# KiCad board register-motherboard - Copy.kicad_pcb (continued)
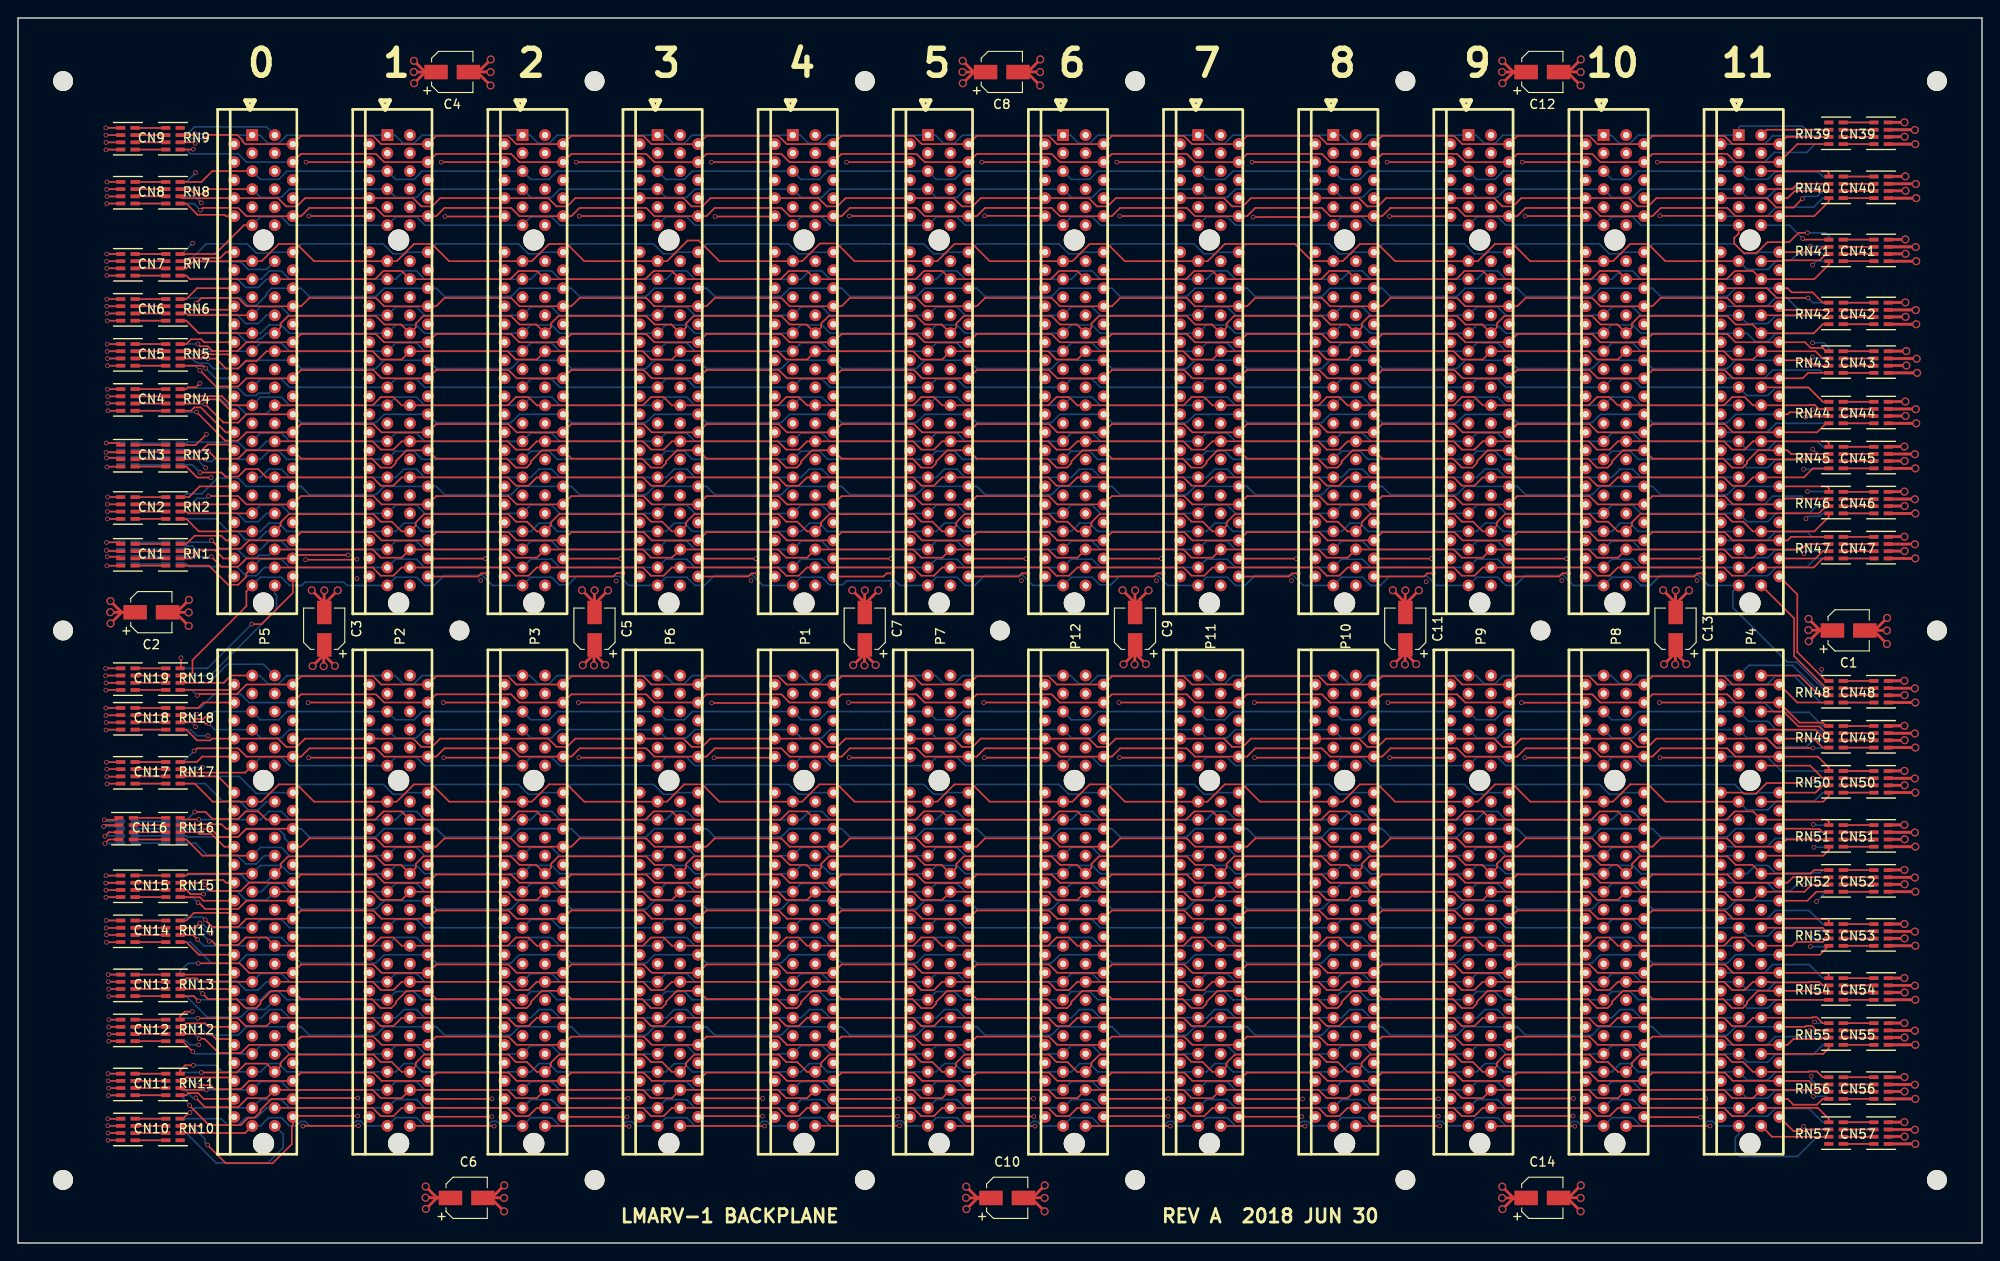
[diagram p0: board, top side]
## Routing (per net, layer and track width the routed paths; a pad name or vN(x,y) marks a point on that pad's centre or on a via; arc(x,y) is an arc through that point) (continued)
  Bottom w0.178: v1(20.49,27.68) 19.97,28.2 RN32.7
/~{rs2_rd}: length 192.9
  Top w0.178: v1(20.76,93.14) 22.82,91.08 24.44,91.08 25.36,92 P5.128 ; P4.128 196.42,92 196.64,92.22 198.69,92.22 199.11,91.8 RN44.7
  Bottom w0.178: P4.128 190.64,92 189.73,91.08 181.42,91.08 P8.128 175.64,92 174.73,91.08 166.42,91.08 P9.128 160.64,92 159.73,91.08 151.42,91.08 P10.128 145.64,92 144.73,91.08 136.42,91.08 P11.128 130.64,92 129.73,91.08 121.42,91.08 P12.128 115.64,92 114.73,91.08 106.42,91.08 P7.128 100.64,92 99.73,91.08 91.42,91.08 P1.128 85.64,92 84.73,91.08 76.42,91.08 P6.128 70.64,92 69.73,91.08 61.42,91.08 P3.128 55.64,92 54.73,91.08 46.42,91.08 P2.128 40.64,92 39.73,91.08 31.42,91.08 P5.128 ; v1(20.76,93.14) 18.06,93.14 RN23.7
Net-(CN1-Pad5): length 3.4
  Top w0.178: RN1.4 CN1.5
Net-(CN1-Pad6): length 3.4
  Top w0.178: CN1.6 RN1.3
Net-(CN1-Pad7): length 3.4
  Top w0.178: RN1.2 CN1.7
Net-(CN1-Pad8): length 3.4
  Top w0.178: CN1.8 RN1.1
Net-(CN2-Pad5): length 3.4
  Top w0.178: RN2.4 CN2.5
Net-(CN2-Pad6): length 3.4
  Top w0.178: CN2.6 RN2.3
Net-(CN2-Pad7): length 3.4
  Top w0.178: RN2.2 CN2.7
Net-(CN2-Pad8): length 3.4
  Top w0.178: CN2.8 RN2.1
Net-(CN3-Pad5): length 3.4
  Top w0.178: RN3.4 CN3.5
Net-(CN3-Pad6): length 3.4
  Top w0.178: CN3.6 RN3.3
Net-(CN3-Pad7): length 3.4
  Top w0.178: RN3.2 CN3.7
Net-(CN3-Pad8): length 3.4
  Top w0.178: CN3.8 RN3.1
Net-(CN4-Pad5): length 3.4
  Top w0.178: RN4.4 CN4.5
Net-(CN4-Pad6): length 3.4
  Top w0.178: CN4.6 RN4.3
Net-(CN4-Pad7): length 3.4
  Top w0.178: RN4.2 CN4.7
Net-(CN4-Pad8): length 3.4
  Top w0.178: CN4.8 RN4.1
Net-(CN5-Pad5): length 3.4
  Top w0.178: RN5.4 CN5.5
Net-(CN5-Pad6): length 3.4
  Top w0.178: CN5.6 RN5.3
Net-(CN5-Pad7): length 3.4
  Top w0.178: RN5.2 CN5.7
Net-(CN5-Pad8): length 3.4
  Top w0.178: CN5.8 RN5.1
Net-(CN6-Pad5): length 3.4
  Top w0.178: RN6.4 CN6.5
Net-(CN6-Pad6): length 3.4
  Top w0.178: CN6.6 RN6.3
Net-(CN6-Pad7): length 3.4
  Top w0.178: RN6.2 CN6.7
Net-(CN6-Pad8): length 3.4
  Top w0.178: CN6.8 RN6.1
Net-(CN7-Pad5): length 3.4
  Top w0.178: RN7.4 CN7.5
Net-(CN7-Pad6): length 3.4
  Top w0.178: CN7.6 RN7.3
Net-(CN7-Pad7): length 3.4
  Top w0.178: RN7.2 CN7.7
Net-(CN7-Pad8): length 3.4
  Top w0.178: CN7.8 RN7.1
Net-(CN8-Pad5): length 3.4
  Top w0.178: RN8.4 CN8.5
Net-(CN8-Pad6): length 3.4
  Top w0.178: CN8.6 RN8.3
Net-(CN8-Pad7): length 3.4
  Top w0.178: RN8.2 CN8.7
Net-(CN8-Pad8): length 3.4
  Top w0.178: CN8.8 RN8.1
Net-(CN9-Pad5): length 3.4
  Top w0.178: CN9.5 RN9.4
Net-(CN9-Pad6): length 3.4
  Top w0.178: CN9.6 RN9.3
Net-(CN9-Pad7): length 3.4
  Top w0.178: CN9.7 RN9.2
Net-(CN9-Pad8): length 3.4
  Top w0.178: CN9.8 RN9.1
Net-(CN10-Pad5): length 3.4
  Top w0.178: RN10.4 CN10.5
Net-(CN10-Pad6): length 3.4
  Top w0.178: CN10.6 RN10.3
Net-(CN10-Pad7): length 3.4
  Top w0.178: RN10.2 CN10.7
Net-(CN10-Pad8): length 3.4
  Top w0.178: CN10.8 RN10.1
Net-(CN11-Pad5): length 3.4
  Top w0.178: RN11.4 CN11.5
Net-(CN11-Pad6): length 3.4
  Top w0.178: CN11.6 RN11.3
Net-(CN11-Pad7): length 3.4
  Top w0.178: RN11.2 CN11.7
Net-(CN11-Pad8): length 3.4
  Top w0.178: CN11.8 RN11.1
Net-(CN12-Pad5): length 3.4
  Top w0.178: RN12.4 CN12.5
Net-(CN12-Pad6): length 3.4
  Top w0.178: CN12.6 RN12.3
Net-(CN12-Pad7): length 3.4
  Top w0.178: RN12.2 CN12.7
Net-(CN12-Pad8): length 3.4
  Top w0.178: CN12.8 RN12.1
Net-(CN13-Pad5): length 3.4
  Top w0.178: RN13.4 CN13.5
Net-(CN13-Pad6): length 3.4
  Top w0.178: CN13.6 RN13.3
Net-(CN13-Pad7): length 3.4
  Top w0.178: RN13.2 CN13.7
Net-(CN13-Pad8): length 3.4
  Top w0.178: CN13.8 RN13.1
Net-(CN14-Pad5): length 3.4
  Top w0.178: RN14.4 CN14.5
Net-(CN14-Pad6): length 3.4
  Top w0.178: CN14.6 RN14.3
Net-(CN14-Pad7): length 3.4
  Top w0.178: RN14.2 CN14.7
Net-(CN14-Pad8): length 3.4
  Top w0.178: CN14.8 RN14.1
Net-(CN15-Pad5): length 3.4
  Top w0.178: RN15.4 CN15.5
Net-(CN15-Pad6): length 3.4
  Top w0.178: CN15.6 RN15.3
Net-(CN15-Pad7): length 3.4
  Top w0.178: RN15.2 CN15.7
Net-(CN15-Pad8): length 3.4
  Top w0.178: CN15.8 RN15.1
Net-(CN16-Pad5): length 3.6
  Top w0.178: RN16.4 CN16.5
Net-(CN16-Pad6): length 3.6
  Top w0.178: CN16.6 RN16.3
Net-(CN16-Pad7): length 3.6
  Top w0.178: RN16.2 CN16.7
Net-(CN16-Pad8): length 3.6
  Top w0.178: CN16.8 RN16.1
Net-(CN17-Pad5): length 3.4
  Top w0.178: RN17.4 CN17.5
Net-(CN17-Pad6): length 3.4
  Top w0.178: CN17.6 RN17.3
Net-(CN17-Pad7): length 3.4
  Top w0.178: RN17.2 CN17.7
Net-(CN17-Pad8): length 3.4
  Top w0.178: CN17.8 RN17.1
Net-(CN18-Pad5): length 3.4
  Top w0.178: RN18.4 CN18.5
Net-(CN18-Pad6): length 3.4
  Top w0.178: CN18.6 RN18.3
Net-(CN18-Pad7): length 3.4
  Top w0.178: RN18.2 CN18.7
Net-(CN18-Pad8): length 3.4
  Top w0.178: CN18.8 RN18.1
Net-(CN19-Pad5): length 3.4
  Top w0.178: RN19.4 CN19.5
Net-(CN19-Pad6): length 3.4
  Top w0.178: CN19.6 RN19.3
Net-(CN19-Pad7): length 3.4
  Top w0.178: RN19.2 CN19.7
Net-(CN19-Pad8): length 3.4
  Top w0.178: CN19.8 RN19.1
Net-(CN20-Pad5): length 3.4
  Bottom w0.178: CN20.5 RN20.4
Net-(CN20-Pad6): length 3.4
  Bottom w0.178: RN20.3 CN20.6
Net-(CN20-Pad7): length 3.4
  Bottom w0.178: CN20.7 RN20.2
Net-(CN20-Pad8): length 3.4
  Bottom w0.178: RN20.1 CN20.8
Net-(CN21-Pad5): length 3.4
  Bottom w0.178: CN21.5 RN21.4
Net-(CN21-Pad6): length 3.4
  Bottom w0.178: RN21.3 CN21.6
Net-(CN21-Pad7): length 3.4
  Bottom w0.178: CN21.7 RN21.2
Net-(CN21-Pad8): length 3.4
  Bottom w0.178: RN21.1 CN21.8
Net-(CN22-Pad5): length 3.4
  Bottom w0.178: CN22.5 RN22.4
Net-(CN22-Pad6): length 3.4
  Bottom w0.178: RN22.3 CN22.6
Net-(CN22-Pad7): length 3.4
  Bottom w0.178: CN22.7 RN22.2
Net-(CN22-Pad8): length 3.4
  Bottom w0.178: RN22.1 CN22.8
Net-(CN23-Pad5): length 3.4
  Bottom w0.178: CN23.5 RN23.4
Net-(CN23-Pad6): length 3.4
  Bottom w0.178: RN23.3 CN23.6
Net-(CN23-Pad7): length 3.4
  Bottom w0.178: CN23.7 RN23.2
Net-(CN23-Pad8): length 3.4
  Bottom w0.178: RN23.1 CN23.8
Net-(CN24-Pad5): length 3.4
  Bottom w0.178: CN24.5 RN24.4
Net-(CN24-Pad6): length 3.4
  Bottom w0.178: RN24.3 CN24.6
Net-(CN24-Pad7): length 3.4
  Bottom w0.178: CN24.7 RN24.2
Net-(CN24-Pad8): length 3.4
  Bottom w0.178: RN24.1 CN24.8
Net-(CN25-Pad5): length 3.4
  Bottom w0.178: CN25.5 RN25.4
Net-(CN25-Pad6): length 3.4
  Bottom w0.178: RN25.3 CN25.6
Net-(CN25-Pad7): length 3.4
  Bottom w0.178: CN25.7 RN25.2
Net-(CN25-Pad8): length 3.4
  Bottom w0.178: RN25.1 CN25.8
Net-(CN26-Pad5): length 3.4
  Bottom w0.178: RN26.4 CN26.5
Net-(CN26-Pad6): length 3.4
  Bottom w0.178: CN26.6 RN26.3
Net-(CN26-Pad7): length 3.4
  Bottom w0.178: RN26.2 CN26.7
Net-(CN26-Pad8): length 3.4
  Bottom w0.178: CN26.8 RN26.1
Net-(CN27-Pad5): length 3.4
  Bottom w0.178: RN27.4 CN27.5
Net-(CN27-Pad6): length 3.4
  Bottom w0.178: CN27.6 RN27.3
Net-(CN27-Pad7): length 3.4
  Bottom w0.178: RN27.2 CN27.7
Net-(CN27-Pad8): length 3.4
  Bottom w0.178: CN27.8 RN27.1
Net-(CN28-Pad5): length 3.4
  Bottom w0.178: CN28.5 RN28.4
Net-(CN28-Pad6): length 3.4
  Bottom w0.178: CN28.6 RN28.3
Net-(CN28-Pad7): length 3.4
  Bottom w0.178: CN28.7 RN28.2
Net-(CN28-Pad8): length 3.4
  Bottom w0.178: CN28.8 RN28.1
Net-(CN29-Pad5): length 3.4
  Bottom w0.178: RN29.4 CN29.5
Net-(CN29-Pad6): length 3.4
  Bottom w0.178: CN29.6 RN29.3
Net-(CN29-Pad7): length 3.4
  Bottom w0.178: RN29.2 CN29.7
Net-(CN29-Pad8): length 3.4
  Bottom w0.178: CN29.8 RN29.1
Net-(CN30-Pad5): length 3.4
  Bottom w0.178: RN30.4 CN30.5
Net-(CN30-Pad6): length 3.4
  Bottom w0.178: CN30.6 RN30.3
Net-(CN30-Pad7): length 3.4
  Bottom w0.178: RN30.2 CN30.7
Net-(CN30-Pad8): length 3.4
  Bottom w0.178: CN30.8 RN30.1
Net-(CN31-Pad5): length 3.4
  Bottom w0.178: RN31.4 CN31.5
Net-(CN31-Pad6): length 3.4
  Bottom w0.178: CN31.6 RN31.3
Net-(CN31-Pad7): length 3.4
  Bottom w0.178: RN31.2 CN31.7
Net-(CN31-Pad8): length 3.4
  Bottom w0.178: CN31.8 RN31.1
Net-(CN32-Pad5): length 3.4
  Bottom w0.178: RN32.4 CN32.5
Net-(CN32-Pad6): length 3.4
  Bottom w0.178: CN32.6 RN32.3
Net-(CN32-Pad7): length 3.4
  Bottom w0.178: RN32.2 CN32.7
Net-(CN32-Pad8): length 3.4
  Bottom w0.178: CN32.8 RN32.1
Net-(CN33-Pad5): length 3.4
  Bottom w0.178: CN33.5 RN33.4
Net-(CN33-Pad6): length 3.4
  Bottom w0.178: RN33.3 CN33.6
Net-(CN33-Pad7): length 3.4
  Bottom w0.178: CN33.7 RN33.2
Net-(CN33-Pad8): length 3.4
  Bottom w0.178: RN33.1 CN33.8
Net-(CN34-Pad5): length 3.4
  Bottom w0.178: CN34.5 RN34.4
Net-(CN34-Pad6): length 3.4
  Bottom w0.178: RN34.3 CN34.6
Net-(CN34-Pad7): length 3.4
  Bottom w0.178: CN34.7 RN34.2
Net-(CN34-Pad8): length 3.4
  Bottom w0.178: RN34.1 CN34.8
Net-(CN35-Pad5): length 3.4
  Bottom w0.178: RN35.4 CN35.5
Net-(CN35-Pad6): length 3.4
  Bottom w0.178: CN35.6 RN35.3
Net-(CN35-Pad7): length 3.4
  Bottom w0.178: RN35.2 CN35.7
Net-(CN35-Pad8): length 3.4
  Bottom w0.178: CN35.8 RN35.1
Net-(CN36-Pad5): length 3.4
  Bottom w0.178: RN36.4 CN36.5
Net-(CN36-Pad6): length 3.4
  Bottom w0.178: CN36.6 RN36.3
Net-(CN36-Pad7): length 3.4
  Bottom w0.178: RN36.2 CN36.7
Net-(CN36-Pad8): length 3.4
  Bottom w0.178: CN36.8 RN36.1
Net-(CN37-Pad5): length 3.4
  Bottom w0.178: RN37.4 CN37.5
Net-(CN37-Pad6): length 3.4
  Bottom w0.178: CN37.6 RN37.3
Net-(CN37-Pad7): length 3.4
  Bottom w0.178: RN37.2 CN37.7
Net-(CN37-Pad8): length 3.4
  Bottom w0.178: CN37.8 RN37.1
Net-(CN38-Pad5): length 3.4
  Bottom w0.178: RN38.4 CN38.5
Net-(CN38-Pad6): length 3.4
  Bottom w0.178: CN38.6 RN38.3
Net-(CN38-Pad7): length 3.4
  Bottom w0.178: RN38.2 CN38.7
Net-(CN38-Pad8): length 3.4
  Bottom w0.178: CN38.8 RN38.1
Net-(CN39-Pad5): length 3.4
  Top w0.178: CN39.5 RN39.4
Net-(CN39-Pad6): length 3.4
  Top w0.178: RN39.3 CN39.6
Net-(CN39-Pad7): length 3.4
  Top w0.178: CN39.7 RN39.2
Net-(CN39-Pad8): length 3.4
  Top w0.178: RN39.1 CN39.8
Net-(CN40-Pad5): length 3.4
  Top w0.178: 206.1,118.4 202.7,118.4
Net-(CN40-Pad6): length 3.4
  Top w0.178: 202.7,117.6 206.1,117.6
Net-(CN40-Pad7): length 3.4
  Top w0.178: 206.1,116.8 202.7,116.8
Net-(CN40-Pad8): length 3.4
  Top w0.178: 202.7,116 206.1,116
Net-(CN41-Pad5): length 3.4
  Top w0.178: 206.1,111.4 202.7,111.4
Net-(CN41-Pad6): length 3.4
  Top w0.178: 202.7,110.6 206.1,110.6
Net-(CN41-Pad7): length 3.4
  Top w0.178: 206.1,109.8 202.7,109.8
Net-(CN41-Pad8): length 3.4
  Top w0.178: 202.7,109 206.1,109
Net-(CN42-Pad5): length 3.4
  Top w0.178: 206.1,104.4 202.7,104.4
Net-(CN42-Pad6): length 3.4
  Top w0.178: 202.7,103.6 206.1,103.6
Net-(CN42-Pad7): length 3.4
  Top w0.178: 206.1,102.8 202.7,102.8
Net-(CN42-Pad8): length 3.4
  Top w0.178: 202.7,102 206.1,102
Net-(CN43-Pad5): length 3.4
  Top w0.178: 206.2,99 202.8,99
Net-(CN43-Pad6): length 3.4
  Top w0.178: 202.8,98.2 206.2,98.2
Net-(CN43-Pad7): length 3.4
  Top w0.178: 206.2,97.4 202.8,97.4
Net-(CN43-Pad8): length 3.4
  Top w0.178: 202.8,96.6 206.2,96.6
Net-(CN44-Pad5): length 3.4
  Top w0.178: 206.1,93.4 202.7,93.4
Net-(CN44-Pad6): length 3.4
  Top w0.178: 202.7,92.6 206.1,92.6
Net-(CN44-Pad7): length 3.4
  Top w0.178: 206.1,91.8 202.7,91.8
Net-(CN44-Pad8): length 3.4
  Top w0.178: 202.7,91 206.1,91
Net-(CN45-Pad5): length 3.4
  Top w0.178: CN45.5 RN45.4
Net-(CN45-Pad6): length 3.4
  Top w0.178: RN45.3 CN45.6
Net-(CN45-Pad7): length 3.4
  Top w0.178: CN45.7 RN45.2
Net-(CN45-Pad8): length 3.4
  Top w0.178: RN45.1 CN45.8
Net-(CN46-Pad5): length 3.4
  Top w0.178: CN46.5 RN46.4
Net-(CN46-Pad6): length 3.4
  Top w0.178: RN46.3 CN46.6
Net-(CN46-Pad7): length 3.4
  Top w0.178: CN46.7 RN46.2
Net-(CN46-Pad8): length 3.4
  Top w0.178: RN46.1 CN46.8
Net-(CN47-Pad5): length 3.4
  Top w0.178: CN47.5 RN47.4
Net-(CN47-Pad6): length 3.4
  Top w0.178: RN47.3 CN47.6
Net-(CN47-Pad7): length 3.4
  Top w0.178: CN47.7 RN47.2
Net-(CN47-Pad8): length 3.4
  Top w0.178: RN47.1 CN47.8
Net-(CN48-Pad5): length 3.4
  Top w0.178: CN48.5 RN48.4
Net-(CN48-Pad6): length 3.4
  Top w0.178: RN48.3 CN48.6
Net-(CN48-Pad7): length 3.4
  Top w0.178: CN48.7 RN48.2
Net-(CN48-Pad8): length 3.4
  Top w0.178: RN48.1 CN48.8
Net-(CN49-Pad5): length 3.4
  Top w0.178: CN49.5 RN49.4
Net-(CN49-Pad6): length 3.4
  Top w0.178: RN49.3 CN49.6
Net-(CN49-Pad7): length 3.4
  Top w0.178: CN49.7 RN49.2
Net-(CN49-Pad8): length 3.4
  Top w0.178: RN49.1 CN49.8
Net-(CN50-Pad5): length 3.4
  Top w0.178: CN50.5 RN50.4
Net-(CN50-Pad6): length 3.4
  Top w0.178: RN50.3 CN50.6
Net-(CN50-Pad7): length 3.4
  Top w0.178: CN50.7 RN50.2
Net-(CN50-Pad8): length 3.4
  Top w0.178: RN50.1 CN50.8
Net-(CN51-Pad5): length 3.4
  Top w0.178: CN51.5 RN51.4
Net-(CN51-Pad6): length 3.4
  Top w0.178: RN51.3 CN51.6
Net-(CN51-Pad7): length 3.4
  Top w0.178: CN51.7 RN51.2
Net-(CN51-Pad8): length 3.4
  Top w0.178: RN51.1 CN51.8
Net-(CN52-Pad5): length 3.4
  Top w0.178: CN52.5 RN52.4
Net-(CN52-Pad6): length 3.4
  Top w0.178: RN52.3 CN52.6
Net-(CN52-Pad7): length 3.4
  Top w0.178: CN52.7 RN52.2
Net-(CN52-Pad8): length 3.4
  Top w0.178: RN52.1 CN52.8
Net-(CN53-Pad5): length 3.4
  Top w0.178: CN53.5 RN53.4
Net-(CN53-Pad6): length 3.4
  Top w0.178: RN53.3 CN53.6
Net-(CN53-Pad7): length 3.4
  Top w0.178: CN53.7 RN53.2
Net-(CN53-Pad8): length 3.4
  Top w0.178: RN53.1 CN53.8
Net-(CN54-Pad5): length 3.4
  Top w0.178: CN54.5 RN54.4
Net-(CN54-Pad6): length 3.4
  Top w0.178: RN54.3 CN54.6
Net-(CN54-Pad7): length 3.4
  Top w0.178: CN54.7 RN54.2
Net-(CN54-Pad8): length 3.4
  Top w0.178: RN54.1 CN54.8
Net-(CN55-Pad5): length 3.4
  Top w0.178: CN55.5 RN55.4
Net-(CN55-Pad6): length 3.4
  Top w0.178: RN55.3 CN55.6
Net-(CN55-Pad7): length 3.4
  Top w0.178: CN55.7 RN55.2
Net-(CN55-Pad8): length 3.4
  Top w0.178: RN55.1 CN55.8
Net-(CN56-Pad5): length 3.4
  Top w0.178: CN56.5 RN56.4
Net-(CN56-Pad6): length 3.4
  Top w0.178: RN56.3 CN56.6
Net-(CN56-Pad7): length 3.4
  Top w0.178: CN56.7 RN56.2
Net-(CN56-Pad8): length 3.4
  Top w0.178: RN56.1 CN56.8
Net-(CN57-Pad5): length 3.4
  Top w0.178: CN57.5 RN57.4
Net-(CN57-Pad6): length 3.4
  Top w0.178: RN57.3 CN57.6
Net-(CN57-Pad7): length 3.4
  Top w0.178: CN57.7 RN57.2
Net-(CN57-Pad8): length 3.4
  Top w0.178: RN57.1 CN57.8
Net-(CN58-Pad5): length 3.4
  Bottom w0.178: RN58.4 CN58.5
Net-(CN58-Pad6): length 3.4
  Bottom w0.178: RN58.3 CN58.6
Net-(CN58-Pad7): length 3.4
  Bottom w0.178: RN58.2 CN58.7
Net-(CN58-Pad8): length 3.4
  Bottom w0.178: RN58.1 CN58.8
Net-(CN59-Pad5): length 3.4
  Bottom w0.178: 202.7,116 206.1,116
Net-(CN59-Pad6): length 3.4
  Bottom w0.178: 202.7,116.8 206.1,116.8
Net-(CN59-Pad7): length 3.4
  Bottom w0.178: 202.7,117.6 206.1,117.6
Net-(CN59-Pad8): length 3.4
  Bottom w0.178: 202.7,118.4 206.1,118.4
Net-(CN60-Pad5): length 3.4
  Bottom w0.178: 202.7,109 206.1,109
Net-(CN60-Pad6): length 3.4
  Bottom w0.178: 202.7,109.8 206.1,109.8
Net-(CN60-Pad7): length 3.4
  Bottom w0.178: 202.7,110.6 206.1,110.6
Net-(CN60-Pad8): length 3.4
  Bottom w0.178: 202.7,111.4 206.1,111.4
Net-(CN61-Pad5): length 3.4
  Bottom w0.178: 202.7,102 206.1,102
Net-(CN61-Pad6): length 3.4
  Bottom w0.178: 202.7,102.8 206.1,102.8
Net-(CN61-Pad7): length 3.4
  Bottom w0.178: 202.7,103.6 206.1,103.6
Net-(CN61-Pad8): length 3.4
  Bottom w0.178: 202.7,104.4 206.1,104.4
Net-(CN62-Pad5): length 3.4
  Bottom w0.178: 202.8,96.6 206.2,96.6
Net-(CN62-Pad6): length 3.4
  Bottom w0.178: 202.8,97.4 206.2,97.4
Net-(CN62-Pad7): length 3.4
  Bottom w0.178: 202.8,98.2 206.2,98.2
Net-(CN62-Pad8): length 3.4
  Bottom w0.178: 202.8,99 206.2,99
Net-(CN63-Pad5): length 3.4
  Bottom w0.178: 202.7,91 206.1,91
Net-(CN63-Pad6): length 3.4
  Bottom w0.178: 202.7,91.8 206.1,91.8
Net-(CN63-Pad7): length 3.4
  Bottom w0.178: 202.7,92.6 206.1,92.6
Net-(CN63-Pad8): length 3.4
  Bottom w0.178: 202.7,93.4 206.1,93.4
Net-(CN64-Pad5): length 3.4
  Bottom w0.178: RN64.4 CN64.5
Net-(CN64-Pad6): length 3.4
  Bottom w0.178: RN64.3 CN64.6
Net-(CN64-Pad7): length 3.4
  Bottom w0.178: RN64.2 CN64.7
Net-(CN64-Pad8): length 3.4
  Bottom w0.178: RN64.1 CN64.8
Net-(CN65-Pad5): length 3.4
  Bottom w0.178: RN65.4 CN65.5
Net-(CN65-Pad6): length 3.4
  Bottom w0.178: RN65.3 CN65.6
Net-(CN65-Pad7): length 3.4
  Bottom w0.178: RN65.2 CN65.7
Net-(CN65-Pad8): length 3.4
  Bottom w0.178: RN65.1 CN65.8
Net-(CN66-Pad5): length 3.4
  Bottom w0.178: RN66.4 CN66.5
Net-(CN66-Pad6): length 3.4
  Bottom w0.178: RN66.3 CN66.6
Net-(CN66-Pad7): length 3.4
  Bottom w0.178: RN66.2 CN66.7
Net-(CN66-Pad8): length 3.4
  Bottom w0.178: RN66.1 CN66.8
Net-(CN67-Pad5): length 3.4
  Bottom w0.178: RN67.4 CN67.5
Net-(CN67-Pad6): length 3.4
  Bottom w0.178: RN67.3 CN67.6
Net-(CN67-Pad7): length 3.4
  Bottom w0.178: RN67.2 CN67.7
Net-(CN67-Pad8): length 3.4
  Bottom w0.178: RN67.1 CN67.8
Net-(CN68-Pad5): length 3.4
  Bottom w0.178: RN68.4 CN68.5
Net-(CN68-Pad6): length 3.4
  Bottom w0.178: RN68.3 CN68.6
Net-(CN68-Pad7): length 3.4
  Bottom w0.178: RN68.2 CN68.7
Net-(CN68-Pad8): length 3.4
  Bottom w0.178: RN68.1 CN68.8
Net-(CN69-Pad5): length 3.4
  Bottom w0.178: RN69.4 CN69.5
Net-(CN69-Pad6): length 3.4
  Bottom w0.178: RN69.3 CN69.6
Net-(CN69-Pad7): length 3.4
  Bottom w0.178: RN69.2 CN69.7
Net-(CN69-Pad8): length 3.4
  Bottom w0.178: RN69.1 CN69.8
Net-(CN70-Pad5): length 3.4
  Bottom w0.178: RN70.4 CN70.5
Net-(CN70-Pad6): length 3.4
  Bottom w0.178: RN70.3 CN70.6
Net-(CN70-Pad7): length 3.4
  Bottom w0.178: RN70.2 CN70.7
Net-(CN70-Pad8): length 3.4
  Bottom w0.178: RN70.1 CN70.8
Net-(CN71-Pad5): length 3.4
  Bottom w0.178: RN71.4 CN71.5
Net-(CN71-Pad6): length 3.4
  Bottom w0.178: RN71.3 CN71.6
Net-(CN71-Pad7): length 3.4
  Bottom w0.178: RN71.2 CN71.7
Net-(CN71-Pad8): length 3.4
  Bottom w0.178: RN71.1 CN71.8
Net-(CN72-Pad5): length 3.4
  Bottom w0.178: RN72.4 CN72.5
Net-(CN72-Pad6): length 3.4
  Bottom w0.178: RN72.3 CN72.6
Net-(CN72-Pad7): length 3.4
  Bottom w0.178: RN72.2 CN72.7
Net-(CN72-Pad8): length 3.4
  Bottom w0.178: RN72.1 CN72.8
Net-(CN73-Pad5): length 3.4
  Bottom w0.178: RN73.4 CN73.5
Net-(CN73-Pad6): length 3.4
  Bottom w0.178: RN73.3 CN73.6
Net-(CN73-Pad7): length 3.4
  Bottom w0.178: RN73.2 CN73.7
Net-(CN73-Pad8): length 3.4
  Bottom w0.178: RN73.1 CN73.8
Net-(CN74-Pad5): length 3.4
  Bottom w0.178: RN74.4 CN74.5
Net-(CN74-Pad6): length 3.4
  Bottom w0.178: RN74.3 CN74.6
Net-(CN74-Pad7): length 3.4
  Bottom w0.178: RN74.2 CN74.7
Net-(CN74-Pad8): length 3.4
  Bottom w0.178: RN74.1 CN74.8
Net-(CN75-Pad5): length 3.4
  Bottom w0.178: RN75.4 CN75.5
Net-(CN75-Pad6): length 3.4
  Bottom w0.178: RN75.3 CN75.6
Net-(CN75-Pad7): length 3.4
  Bottom w0.178: RN75.2 CN75.7
Net-(CN75-Pad8): length 3.4
  Bottom w0.178: RN75.1 CN75.8
Net-(CN76-Pad5): length 3.4
  Bottom w0.178: RN76.4 CN76.5
Net-(CN76-Pad6): length 3.4
  Bottom w0.178: RN76.3 CN76.6
Net-(CN76-Pad7): length 3.4
  Bottom w0.178: RN76.2 CN76.7
Net-(CN76-Pad8): length 3.4
  Bottom w0.178: RN76.1 CN76.8

## Copper pours and planes (outline as drawn; the poured copper is in the pictures)
GND on Gnd1.Cu: -2,138 222,138 221,-3 -2,-3
GND on Gnd4.Cu: 221,137 221,-2 -1,-2 -1,137
VCC on Vcc3.Cu: 221,137 221,-2 -1,-2 -1,137

## Text on the board
F.SilkS: LMARV-1 BACKPLANE | REV A  2018 JUN 30 | 0 | 1 | 2 | 3 | 4 | 5 | 6 | 7 | 8 | 9 | 10 | 11
